# KiCad board V5PCB_Panel.kicad_pcb (continued)
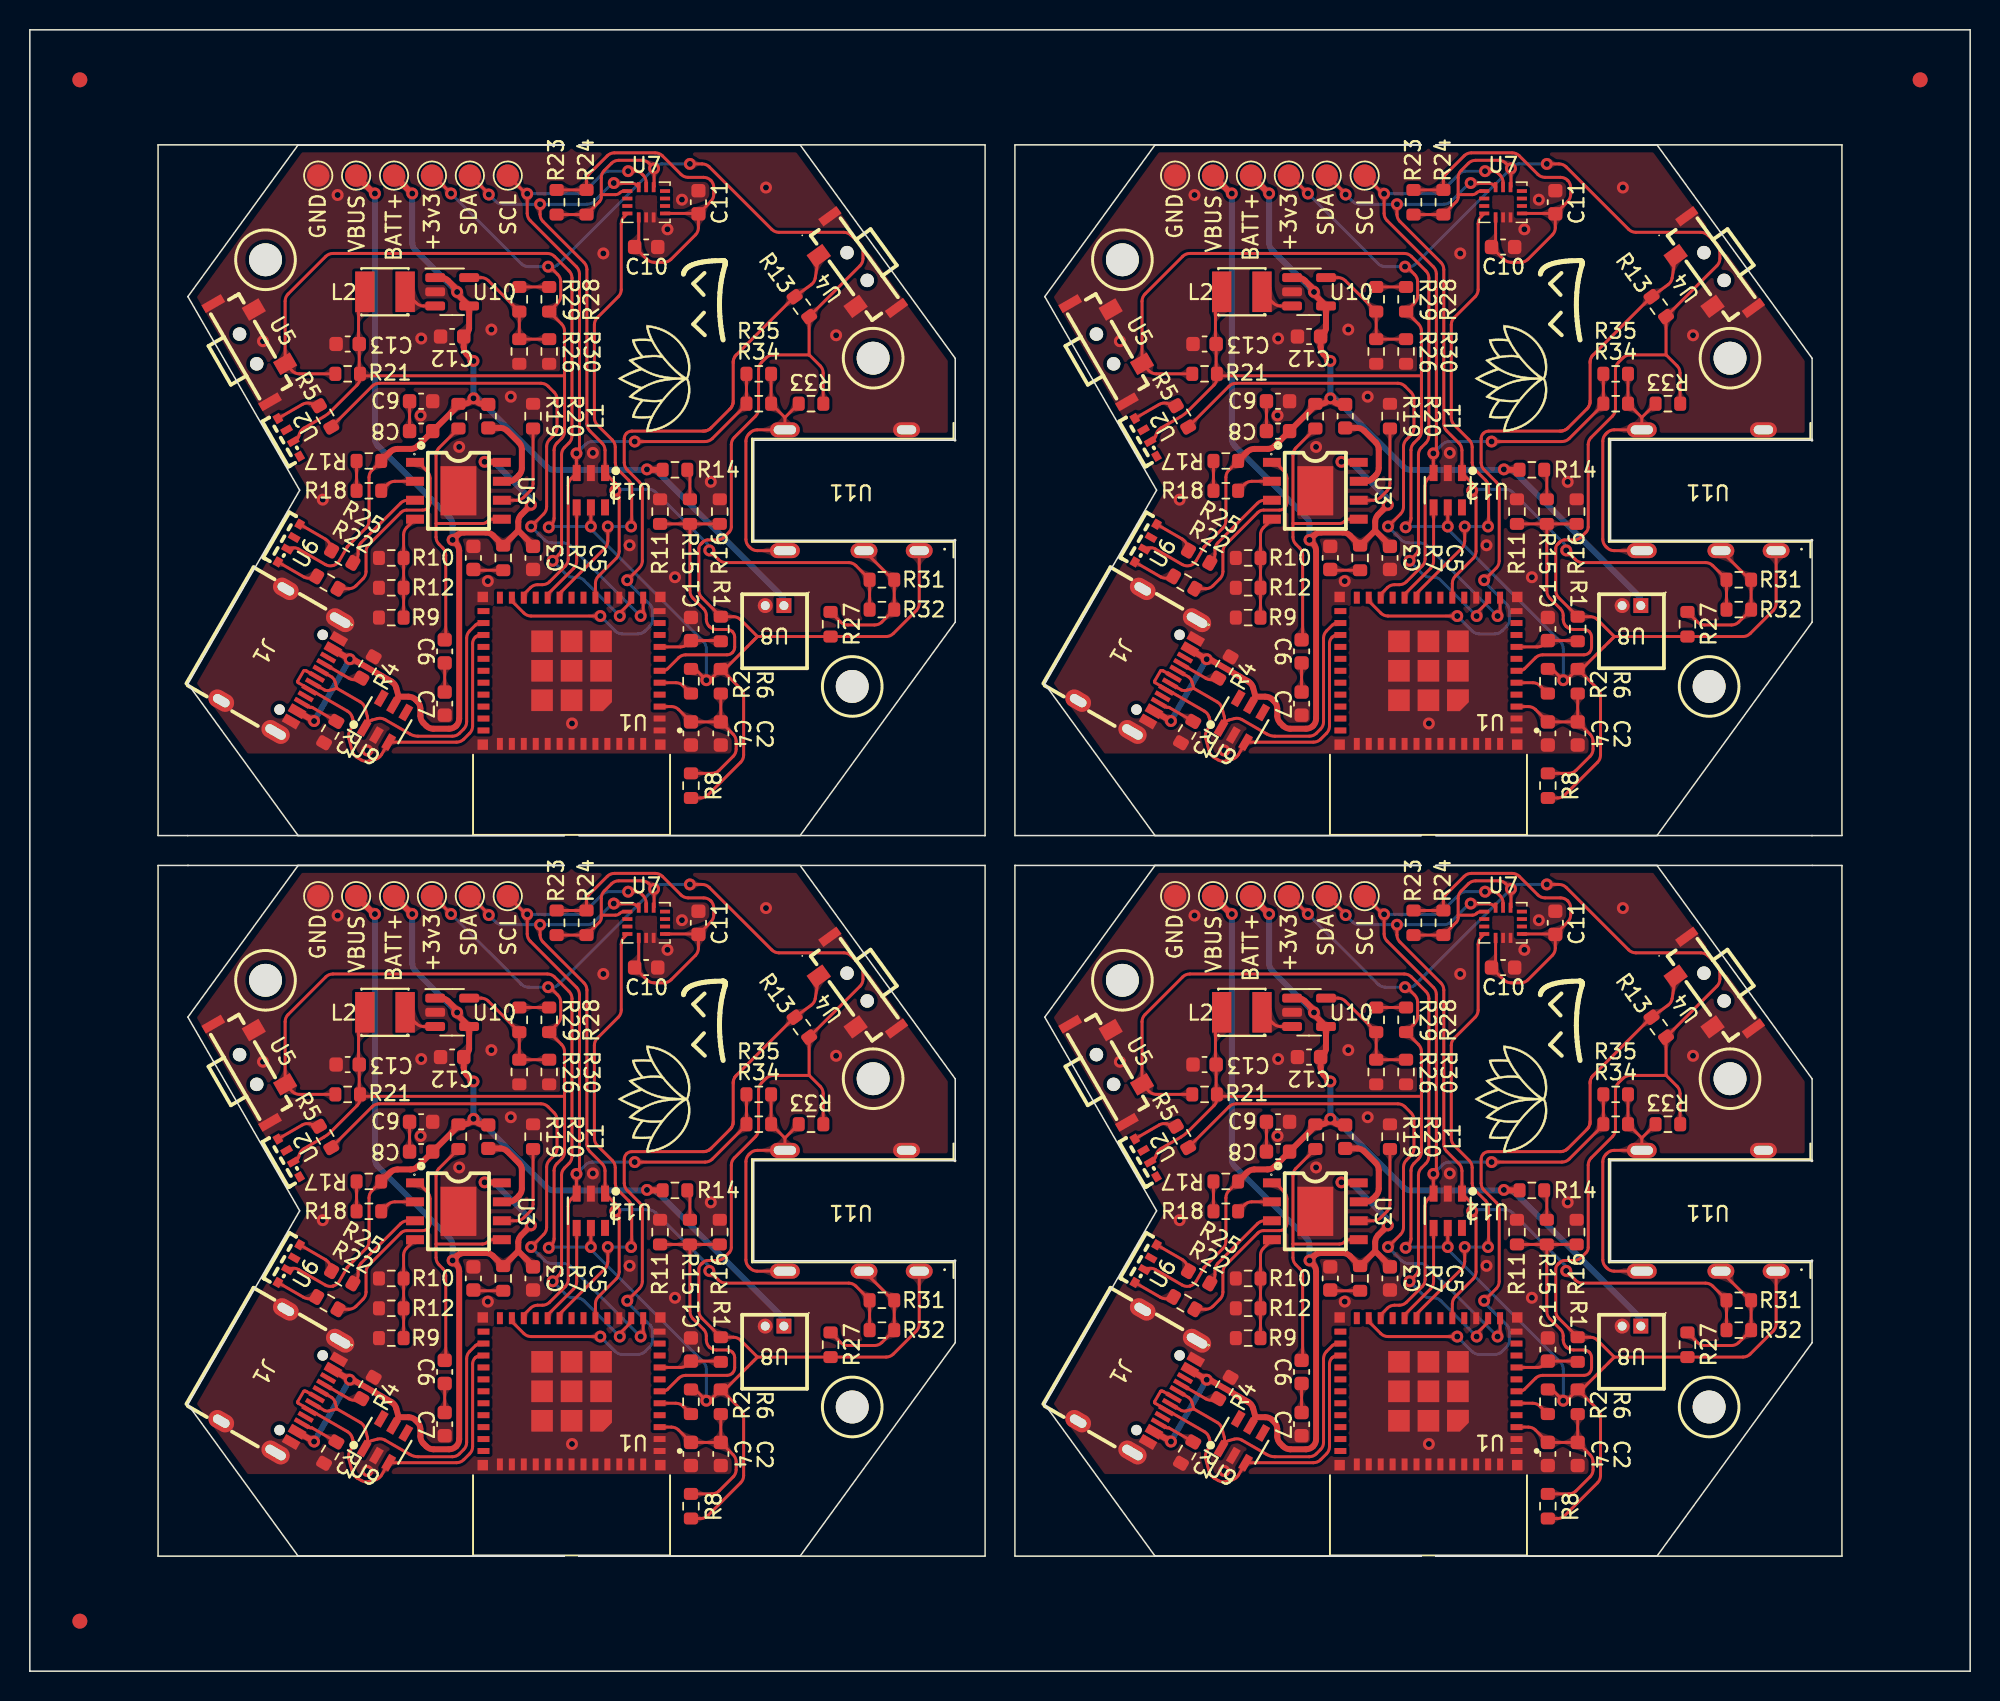
[diagram p0: board, top side]
## Routing (per net, layer and track width the routed paths; a pad name or vN(x,y) marks a point on that pad's centre or on a via; arc(x,y) is an arc through that point) (continued)
Board_0-/STATUS_LED: length 37.1
  Top w0.2: v1(33.58,76.71) 34.42,77.55 arc(34.57,77.77) 34.62,78.03 34.62,82.07 arc(34.68,82.33) 34.82,82.55 35.12,82.85 arc(35.27,83.07) 35.32,83.33 35.32,85.23 arc(35.27,85.49) 35.12,85.71 34.72,86.11 arc(34.5,86.26) 34.24,86.31 23.41,86.31 arc(23.15,86.26) 22.93,86.11 R5.2 ; v1(40.92,70.71) 41.01,70.8 arc(41.07,70.89) 41.09,71.01 U1#4.12
  Bottom w0.2: v1(33.58,76.71) 34.49,75.81 arc(34.71,75.67) 34.97,75.61 35.74,75.61 arc(36,75.56) 36.22,75.41 v1(40.92,70.71)
Board_0-/USB_D+: length 25.1
  Top w0.2: U9#4.3 24.09,62.35 arc(24.15,62.42) 24.24,62.46 ; U9#4.3 23.56,61.43 arc(23.39,61.23) 23.15,61.11 22.73,61 arc(22.46,60.98) 22.21,61.07 21.92,61.23 arc(21.72,61.41) 21.6,61.65 21.37,62.51 arc(21.36,62.78) 21.44,63.03 21.57,63.26 arc(21.66,63.51) 21.64,63.78 21.6,63.93 arc(21.48,64.16) 21.28,64.34 17.98,66.25 arc(17.95,66.27) 17.94,66.3 arc(17.94,66.33) 17.95,66.36 18.34,67.03 arc(18.35,67.05) 18.37,67.06 arc(18.4,67.06) 18.42,67.06 18.47,67.06 arc(18.49,67.05) 18.51,67.04 arc(18.54,67.03) 18.56,67.02 J1.B6 ; U9#4.3 28.59,62.26 arc(28.85,62.31) 29.07,62.46 29.47,62.86 arc(29.61,63.08) 29.67,63.34 29.67,68.88 arc(29.71,69.1) 29.83,69.28 29.85,69.3 arc(30.01,69.41) 30.19,69.44 U1#4.27
Board_0-/USB_D-: length 22.1
  Top w0.2: J1.B7 19.48,67.06 arc(19.48,67.06) 19.48,67.06 20.24,66.62 arc(20.37,66.47) 20.45,66.29 20.57,65.87 ; 20.57,65.87 20.07,65.73 arc(19.91,65.72) 19.75,65.75 18.98,66.2 arc(18.98,66.2) J1.A7 ; 20.57,65.87 22.14,64.96 arc(22.34,64.78) 22.46,64.54 22.61,63.98 arc(22.63,63.71) 22.54,63.46 22.47,63.34 22.53,63.44 arc(22.7,63.63) 22.92,63.74 23.28,63.84 arc(23.55,63.86) 23.8,63.77 25.47,62.8 arc(25.73,62.7) 26.01,62.66 28.31,62.66 arc(28.57,62.71) 28.79,62.86 29.07,63.14 arc(29.21,63.36) 29.27,63.62 29.27,69.23 arc(29.32,69.49) 29.46,69.72 29.85,70.1 arc(30.01,70.21) 30.19,70.24 U1#4.26
Board_0-GND:
  vias: v1(15.62,89.13) v1(19.62,78.51) v1(20.62,98.93) v1(22.61,61.7) v1(26.22,89.31) v1(26.18,84.16) v1(28.77,82.05) v1(30.68,73.06) v1(30.92,89.91) v1(32.22,85.41) v1(36.32,63.51) v1(37.72,81.65) v1(38.42,95.01) v1(40.18,75.46) v1(42.72,96.63) v1(43.22,73.31) v1(43.69,98.62) v1(45.62,79.71) v1(49.32,99.43) v1(54.02,89.53)
Board_0-Net-(C3-Pad1): length 2
  Top w0.2: R7#4.2 29.8,73.78 arc(29.77,73.79) 29.74,73.81 C3#3.1
Board_0-Net-(C6-Pad2): length 1.9
  Top w0.2: C7#3.1 C6#4.2
Board_0-Net-(C8-Pad2): length 2
  Top w0.2: C9#3.1 25.44,83.11
Board_0-Net-(J1-CC1): length 2.8
  Top w0.2: R4#2.1 21.9,66.47 arc(21.64,66.45) 21.39,66.54 20.9,66.82 J1.A5
Board_0-Net-(J1-CC2): length 2.6
  Top w0.2: J1.B5 18.72,64.61 arc(18.77,64.6) 18.82,64.6 arc(18.87,64.6) 18.92,64.59 R3.1
Board_0-Net-(R5-Pad1): length 3
  Top w0.2: U2#3.4 18.26,84.9 arc(18.51,84.98) 18.77,84.97 R5.1
Board_0-Net-(R14-Pad2): length 2
  Top w0.2: 44.22,78.54 44.22,80.22 arc(44.2,80.33) 44.14,80.43 R14.2
Board_0-Net-(R17-Pad2): length 2
  Top w0.2: R18#4.1 R17#4.2
Board_0-Net-(R22-Pad1): length 2.9
  Top w0.2: R22#2.1 18.86,73.27 arc(18.6,73.26) 18.34,73.34 U6#3.1
Board_0-Net-(R25-Pad1): length 2.9
  Top w0.2: R25#3.1 20.12,75.46 arc(20,75.69) 19.8,75.87 U6#3.4
Board_0-Net-(R27-Pad2): length 11.3
  Top w0.2: R27.2 54.32,70.31 arc(54.54,70.17) 54.8,70.11 56.6,70.11 arc(56.86,70.17) 57.08,70.31 R32#2.2 57.91,73.11 arc(57.9,73.13) 57.88,73.14 arc(57.84,73.15) 57.81,73.17 55.98,75 arc(55.88,75.07) 55.76,75.09 55.63,75.09 arc(55.38,75.05) 55.18,74.91 ; U11#4.3 55.63,75.09 arc(55.4,75.05) 55.2,74.91
Board_0-Net-(R28-Pad2): length 2
  Top w0.2: R28#3.2 R29#2.1
Board_0-Net-(R33-Pad2): length 18.1
  Top w0.2: U11#4.5 48.74,75.09 arc(48.48,75.15) 48.26,75.29 48.17,75.38 arc(48.03,75.6) 47.97,75.86 47.97,82.43 arc(48.03,82.69) 48.17,82.91 48.26,83 arc(48.48,83.14) 48.74,83.19 U11#4.4 50.59,84.02 ; R35#4.2 R34#3.2 50.59,84.02 ; 50.59,84.02 R33#4.2
Board_0-Net-(U1-3V3): length 12.4
  Top w0.2: R8#3.2 45.7,60.17 arc(45.96,60.22) 46.18,60.37 47.12,61.31 arc(47.27,61.54) 47.32,61.8 47.32,62.31 arc(47.27,62.57) 47.12,62.79 C2.1 ; C2.1 C4#4.1 43.47,64.45 arc(43.25,64.59) 42.99,64.64 U1#4.3 ; C2.1 R6#4.2
Board_0-Net-(U3-BAT): length 19.5
  Top w0.2: U3#3.5 31.03,77.2 arc(30.84,77.17) 30.68,77.06 arc(30.51,76.95) 30.33,76.91 27.22,76.91 ; 27.22,76.91 27.22,76 arc(27.27,75.74) 27.41,75.52 27.67,75.27 arc(27.81,75.05) 27.87,74.79 27.87,69.24 arc(27.86,69.19) 27.83,69.16 C6#4.1 ; 27.22,76.91 27.22,81.5 arc(27.27,81.76) 27.41,81.98 R20.2
Board_0-Net-(U3-ICHG): length 6.4
  Top w0.2: U3#3.6 32.61,78.47 arc(32.87,78.53) 33.09,78.67 33.52,79.1 arc(33.66,79.32) 33.72,79.58 R19#4.2
Board_0-Net-(U3-NTC): length 6.9
  Top w0.2: R9.2 R12#4.2 R10.2 25.04,76.16 arc(25.09,76.42) 25.24,76.64 U3#3.4
Board_0-Net-(U3-SW): length 6
  Top w0.4: L1#4.1 31.51,83.32 arc(31.77,83.27) 31.99,83.12 32.77,82.35 arc(32.91,82.13) 32.97,81.87 32.97,80.63 arc(32.91,80.37) 32.77,80.15 32.56,79.94 arc(32.34,79.8) 32.08,79.74 U3#3.7
Board_0-Net-(U3-TEST): length 2.5
  Top w0.2: U3#3.2 24.46,79.74 arc(24.2,79.69) 23.98,79.54 R18#4.2
Board_0-Net-(U7-VDD): length 26.4
  Top w0.2: U7#2.5 40.79,95.91 arc(40.76,95.73) 40.66,95.58 arc(40.6,95.44) 40.66,95.31 41.34,94.62 arc(41.56,94.47) 41.82,94.42 42.48,94.42 arc(42.74,94.47) 42.96,94.62 44.59,96.26 arc(44.74,96.48) 44.79,96.74 44.79,97.66 arc(44.79,97.67) 44.79,97.68 44.78,97.68 arc(44.77,97.69) 44.75,97.69 U7#2.8 ; C11.1 45.62,98.5 arc(45.77,98.72) 45.82,98.98 45.82,99.43 arc(45.77,99.69) 45.62,99.91 45.62,99.91 arc(45.4,100.06) 45.14,100.11 44.11,100.11 arc(43.85,100.17) 43.62,100.31 42.38,101.56 arc(42.16,101.7) 41.9,101.76 39.17,101.76 arc(38.91,101.7) 38.69,101.56 37.49,100.36 arc(37.35,100.14) 37.29,99.88 R24#4.2 R23.2 ; 40.24,95.44 C10#2.1
Board_0-Net-(U10-FB): length 8.1
  Top w0.2: R30.1 R26.1 R29#2.2 30.72,93.2 arc(30.5,93.34) 30.24,93.39 U10#3.5
Board_0-Net-(U10-SW): length 2.6
  Top w0.2: L2#3.1 25.89,91.69 arc(26.12,91.55) 26.38,91.49 U10#3.3 27.09,91.43 arc(27.02,91.39) 26.94,91.37
Board_0-VBUS: length 74
  Top w0.2: C5#2.1 33.72,75.42 arc(33.71,75.45) 33.69,75.47 ; v1(23.12,99.03) 23.09,99.03 arc(23.06,99.04) 23.04,99.05 ; v1(21.44,67.82) 21.69,67.89
  Top w0.4: 32.72,76.44 32.72,77.03 arc(32.78,77.29) 32.92,77.51 33.57,78.15 arc(33.57,78.16) 33.57,78.16 v1(33.57,78.17) ; 32.72,76.44 R7#4.1 31.03,76.11 arc(30.81,76.26) 30.55,76.31 29.11,76.31 arc(28.85,76.26) 28.62,76.11 v1(28.32,75.81) 28.57,75.57 arc(28.71,75.35) 28.77,75.09 28.77,63.84 arc(28.71,63.58) 28.57,63.36 arc(28.35,63.21) 28.09,63.16 27.04,63.16 arc(26.78,63.21) 26.55,63.36 26.36,63.55 arc(26.22,63.77) 26.17,64.03 26.17,64.51 arc(26.11,64.77) 25.97,64.99 25.85,65.11 arc(25.63,65.26) 25.37,65.31 24.71,65.31 ; 32.72,76.44 33.69,75.47 ; 24.71,65.31 24.54,65.91 arc(24.43,66.15) 24.23,66.32 21.63,67.82 arc(21.57,67.84) 21.5,67.84 v1(21.44,67.82) 20.31,68.47 ; 24.71,65.31 U9#4.5 ; v1(30.47,81.05) 31.56,81.05 arc(31.59,81.04) 31.61,81.03 U3#3.8 ; v1(19.04,63.68) J1.A4 ; 23.04,99.05 VBUS#3.1
  Bottom w0.2: v1(23.12,99.03) 23.09,99.03 arc(23.06,99.04) 23.03,99.05
  Bottom w0.4: v1(30.47,81.05) 30.8,81.05 arc(31.06,81) 31.28,80.85 33.43,78.7 arc(33.54,78.54) 33.57,78.36 v1(33.57,78.17) ; v1(21.44,67.82) v1(19.04,63.68) ; 23.03,99.05 VBUS#6.1 ; v1(28.32,75.81) 28.32,76.83 arc(28.27,77.09) 28.12,77.31 23.32,82.12 arc(23.17,82.34) 23.12,82.6 v1(23.12,99.03)
Board_1-+3V3: length 184.4
  Top w0.2: v1(92.14,94.13) 92.19,94.13 arc(92.25,94.12) 92.29,94.09 92.78,93.6 arc(92.93,93.38) 92.98,93.12 92.98,92.18 arc(92.93,91.92) 92.78,91.7 R28#4.1 93.04,90.29 arc(93.18,90.07) 93.24,89.81 93.24,83.1 arc(93.18,82.84) 93.04,82.61 92.73,82.31 arc(92.59,82.09) 92.54,81.83 92.54,77.27 arc(92.49,77.04) 92.36,76.84 v1(92.18,76.66) ; 106.16,69.34 105.49,68.67 104.09,67.27 arc(103.98,67.2) 103.85,67.17 R6#2.1 ; 106.16,69.34 105.03,70.47 arc(104.81,70.62) 104.55,70.67 R1#4.1 102.43,71.94 arc(102.29,72.16) 102.24,72.42 102.24,75.25 arc(102.26,75.39) 102.34,75.51 102.52,75.69 arc(102.66,75.78) 102.82,75.81 103.46,75.81 arc(103.72,75.87) 103.94,76.01 104.27,76.34 arc(104.37,76.5) 104.41,76.69 104.41,82.21 arc(104.46,82.47) 104.61,82.69 106.04,84.11 arc(106.18,84.34) 106.24,84.6 106.24,87.23 arc(106.29,87.49) 106.43,87.71 106.74,88.01 arc(106.96,88.16) 107.22,88.21 109.62,88.21 ; 106.16,69.34 114.78,69.34 arc(115.04,69.39) 115.26,69.54 116.8,71.08 arc(116.95,71.3) 117,71.56 U11#2.1 117,75 ; 93.24,86.81 79.75,86.81 arc(79.67,86.83) 79.6,86.88 R21#3.2 ; R21#3.2 79.51,86.97 arc(79.49,87) 79.48,87.03 79.48,88.91 arc(79.47,88.94) 79.46,88.97 arc(79.44,88.99) 79.44,89.02 79.44,91.74 arc(79.49,92) 79.63,92.22 L2.2 ; R21#3.2 79.53,86.67 arc(79.48,86.41) 79.33,86.19 77.58,84.43 arc(77.36,84.24) 77.12,84.08 75.78,83.31 arc(75.58,83.14) 75.47,82.9 75.43,82.78 arc(75.36,82.62) 75.22,82.5 U2#2.2 ; U7#3.12 99.22,99.47 arc(99.23,99.49) 99.24,99.51 v1(99.24,100.71) 98.89,101.06 arc(98.67,101.2) 98.41,101.26 96.86,101.26 arc(96.6,101.2) 96.38,101.06 95.9,100.57 arc(95.75,100.35) 95.7,100.09 95.7,98.96 ; v1(95,76.71) U12#2.5 ; v1(85.63,99.03) 84.46,100.2 arc(84.43,100.22) 84.39,100.23 +3v3#2.1 ; R6#2.1 103.03,66.49 arc(102.94,66.43) 102.84,66.41 v1(102.74,66.41) 102.08,67.07 arc(101.97,67.14) 101.84,67.17 R2.2 ; R6#2.1 105.04,65.84 arc(105.18,65.62) 105.24,65.36 105.24,61.4 arc(105.18,61.14) 105.04,60.91 102.84,58.72 arc(102.62,58.57) 102.36,58.52 R8.1 ; R13#2.2 109.45,90.66 ; R13#2.2 113.03,94.19 arc(113.18,94.41) 113.23,94.67 113.23,95.15 arc(113.18,95.41) 113.03,95.63 112.43,96.23 arc(112.21,96.38) 111.95,96.43 107.6,96.43 arc(107.34,96.48) 107.12,96.63 102.93,100.81 arc(102.71,100.96) 102.45,101.01 v1(101.64,101.01) ; R13#2.2 109.62,88.21 ; 109.62,88.21 109.63,88.21 arc(109.63,88.21) 109.64,88.21 110.37,87.48 arc(110.51,87.26) 110.56,87 110.56,84.99 arc(110.57,84.97) 110.57,84.96 R33.1 ; U7#3.1 97.23,99.19 arc(97.07,99.16) 96.94,99.08 arc(96.8,98.99) 96.65,98.96 95.7,98.96 ; 95.7,98.96 95.7,98.78 arc(95.66,98.62) 95.57,98.49 R24.1 R23#2.1 ; 84.38,100.21 84.38,100.23 arc(84.37,100.23) 84.36,100.23 84.36,100.23 arc(84.35,100.23) 84.35,100.23
  Bottom w0.2: +3v3#7.1 84.39,100.23 arc(84.43,100.22) 84.46,100.2 v1(85.63,99.03) 90.33,94.33 arc(90.55,94.18) 90.81,94.13 v1(92.14,94.13) 92.14,94.12 arc(92.15,94.12) 92.16,94.11 92.39,94.11 arc(92.62,94.16) 92.81,94.28 v1(99.24,100.71) 99.39,100.86 arc(99.55,100.98) 99.75,101.01 v1(101.64,101.01) ; v1(102.74,66.41) 102.74,68.53 arc(102.68,68.79) 102.54,69.01 95.06,76.49 arc(95.01,76.56) 95,76.63 v1(95,76.71) 92.27,76.71 arc(92.24,76.71) 92.21,76.69 v1(92.18,76.66) ; 84.35,100.22 arc(84.35,100.23) 84.36,100.23 arc(84.36,100.23) 84.37,100.23
Board_1-+BATT: length 70.7
  Top w0.2: U6#2.2 74.92,75.27 arc(75.17,75.29) 75.4,75.21 77.21,74.17 arc(77.46,74.08) 77.73,74.1 77.73,74.1 arc(77.97,74.22) 78.14,74.41 78.67,75.33 arc(78.67,75.34) 78.67,75.35 arc(78.68,75.35) 78.68,75.36 79.94,76.61 arc(80.08,76.84) 80.14,77.1 80.14,80.01 arc(80.19,80.27) 80.33,80.49 R17#3.1 ; v1(86.04,92.43) 86.04,92.37 arc(86.05,92.31) 86.08,92.25 ; 88.12,84.9 L1#3.2 ; 86.84,91.49 arc(86.84,91.49) 86.84,91.49 arc(86.84,91.49) 86.84,91.5 86.84,91.56 arc(86.83,91.62) 86.8,91.67
  Top w0.4: v1(87.14,85.31) 87.34,85.11 arc(87.56,84.96) 87.82,84.91 88.11,84.91 arc(88.12,84.91) 88.12,84.9 ; v1(87.14,85.31) 87.27,85.44 ; v1(87.14,85.31) 86.95,85.12 arc(86.74,84.98) 86.5,84.93 86.18,84.93 arc(86.14,84.92) 86.13,84.88 arc(86.12,84.84) 86.09,84.8 83.41,82.11 arc(83.19,81.97) 82.93,81.91 82.04,81.91 arc(81.78,81.86) 81.56,81.71 R17#3.1 ; 86.04,92.62 v1(86.04,92.43) 86.04,92.51 arc(86.02,92.58) 85.98,92.64 85.43,93.2 arc(85.21,93.34) 84.95,93.39 U10.1 84.82,93.39 ; v1(98.76,80.54) 98.82,80.54 arc(98.92,80.52) 99.02,80.51 R14#2.1 ; 86.84,91.49 86.84,89.98 arc(86.78,89.79) 86.66,89.63 C12#3.1 86.48,88.74 arc(86.53,88.48) 86.68,88.26 v1(87.14,87.81) ; 86.08,92.25 U10.4 ; 83.01,99.04 BATT+#4.1
  Bottom w0.2: v1(87.14,85.31) 87.14,85.61 ; v1(86.04,92.43) 86.01,92.43 ; BATT+#6.1 81.82,100.23 arc(81.83,100.23) 81.84,100.22
  Bottom w0.4: U8#4.1 107.93,71.66 arc(107.89,71.9) 107.76,72.09 99.5,80.35 arc(99.29,80.49) 99.03,80.54 v1(98.76,80.54) 98.74,80.52 arc(98.72,80.51) 98.7,80.51 92.52,80.51 arc(92.26,80.56) 92.04,80.71 87.14,85.61 ; v1(87.14,87.81) v1(87.14,85.31) ; v1(86.04,92.43) 83.23,95.24 arc(83.08,95.46) 83.03,95.72 v1(83.03,99.03) 81.84,100.22
Board_1-/ADC: length 19.8
  Top w0.2: U1#3.6 99.81,67.04 arc(99.99,67.08) 100.15,67.19 100.88,67.91 arc(101.1,68.06) 101.36,68.11 104.12,68.11 arc(104.32,68.15) 104.49,68.26 arc(104.6,68.43) 104.64,68.63 104.64,69.3 arc(104.6,69.5) 104.49,69.66 arc(104.32,69.78) 104.12,69.81 103.42,69.81 arc(103.16,69.87) 102.94,70.01 102.93,70.01 arc(102.79,70.24) 102.74,70.5 102.74,70.75 arc(102.69,70.99) 102.55,71.2 101.83,71.91 arc(101.69,72.14) 101.64,72.4 101.64,76.89 ; 101.64,76.89 R16.1 ; 101.64,76.89 99.64,76.89
Board_1-/BMI_INT_AUX: length 6.8
  Top w0.2: U12#2.4 94.05,74.39 arc(94,74.13) 93.85,73.91 92.19,72.25 arc(92.13,72.16) 92.11,72.06 U1#3.20
Board_1-/BMI_INT_MAIN: length 30.4
  Top w0.2: v1(96.14,76.71) 96.14,75.74 arc(96.08,75.48) 95.94,75.26 93.01,72.33 arc(92.93,72.22) 92.91,72.09 U1#3.19 ; v1(97.7,76.71) 97.72,76.73 arc(97.73,76.76) 97.74,76.78 97.74,79.33 arc(97.68,79.59) 97.54,79.81 96.83,80.51 arc(96.69,80.74) 96.64,81 96.64,82.03 arc(96.58,82.29) 96.44,82.51 95.43,83.51 arc(95.29,83.74) 95.24,84 95.24,90.23 arc(95.29,90.49) 95.43,90.71 96.84,92.11 arc(96.98,92.34) 97.04,92.6 97.04,97.01 arc(97.09,97.27) 97.23,97.49 U7#3.4
  Bottom w0.2: v1(96.14,76.71) v1(97.7,76.71)
Board_1-/BOOT: length 45.3
  Top w0.2: v1(97.44,73.11) 98.25,73.93 arc(98.4,74.15) 98.45,74.41 98.45,79.22 arc(98.4,79.48) 98.25,79.7 97.43,80.51 arc(97.29,80.73) 97.24,80.99 97.24,82.6 arc(97.27,82.79) 97.39,82.96 arc(97.55,83.07) 97.75,83.11 102.51,83.11 arc(102.55,83.11) 102.6,83.11 arc(102.64,83.11) 102.69,83.12 102.73,83.13 arc(102.81,83.16) 102.89,83.2 102.93,83.22 arc(102.97,83.25) 103,83.28 arc(103.03,83.31) 103.07,83.34 104.3,84.58 arc(104.34,84.61) 104.37,84.64 arc(104.4,84.67) 104.42,84.71 104.44,84.75 arc(104.48,84.83) 104.51,84.91 104.52,84.96 arc(104.53,85) 104.53,85.04 arc(104.54,85.09) 104.54,85.13 104.54,87.68 arc(104.54,87.73) 104.54,87.77 arc(104.54,87.81) 104.55,87.86 104.56,87.9 arc(104.59,87.98) 104.63,88.06 104.65,88.1 arc(104.68,88.14) 104.7,88.17 arc(104.73,88.21) 104.77,88.24 108.64,92.11 arc(108.64,92.11) 108.64,92.11 arc(108.64,92.11) 108.64,92.12 108.65,92.12 arc(108.65,92.12) 108.65,92.12 arc(108.65,92.12) 108.65,92.12 R13#2.1 109.76,92.92 arc(109.94,93.12) 110.03,93.36 U4#4.1 ; U1#3.23 89.71,71.83 arc(89.73,71.73) 89.79,71.64 90.51,70.91 arc(90.73,70.77) 90.99,70.71 v1(95.64,70.71)
  Bottom w0.2: v1(95.64,70.71) 96.64,69.71 arc(96.86,69.57) 97.12,69.51 98.15,69.51 arc(98.41,69.57) 98.63,69.71 98.94,70.01 arc(99.08,70.24) 99.14,70.5 99.14,71.03 arc(99.1,71.25) 99,71.45 97.47,72.97 arc(97.44,73.01) 97.44,73.06 v1(97.44,73.11)
Board_1-/CHARGED_LED: length 6.5
  Top w0.2: U3.3 82.73,78.47 arc(82.47,78.42) 82.25,78.27 79.6,75.63 arc(79.46,75.41) 79.41,75.15 79.41,74.87 arc(79.36,74.64) 79.23,74.45 R25#4.2 79.1,74.31 arc(79.13,74.36) 79.14,74.41
Board_1-/CHARGING_LED: length 12.8
  Top w0.2: R22#4.2 78.78,72.54 arc(79.04,72.6) 79.26,72.74 79.74,73.21 arc(79.88,73.44) 79.94,73.7 79.94,75.03 arc(79.99,75.29) 80.13,75.51 82.28,77.65 arc(82.45,77.77) 82.66,77.81 83.73,77.81 arc(83.92,77.85) 84.08,77.96 arc(84.19,78.12) 84.23,78.31 84.23,79.94 arc(84.18,80.2) 84.03,80.42 83.51,80.94 arc(83.43,80.99) 83.33,81.01 U3.1
Board_1-/EN: length 4.2
  Top w0.2: R1#4.2 103.68,69.04 arc(103.65,69.06) 103.62,69.07 101.99,69.07 arc(101.73,69.02) 101.51,68.87 101.48,68.84 arc(101.26,68.7) 101,68.64 U1#3.8
Board_1-/GPIO1: length 56.1
  Top w0.2: R21#3.1 75.47,86.94 arc(75.21,87) 74.99,87.14 74.71,87.42 arc(74.57,87.64) 74.51,87.9 74.51,91.81 arc(74.57,92.07) 74.71,92.29 77.24,94.81 arc(77.46,94.96) 77.72,95.01 92.09,95.01 arc(92.35,94.96) 92.57,94.81 93.54,93.84 arc(93.68,93.62) 93.74,93.36 93.74,82.8 arc(93.68,82.54) 93.54,82.31 93.23,82.01 arc(93.09,81.79) 93.04,81.53 93.04,75.3 arc(92.98,75.04) 92.84,74.81 v1(92.44,74.41) ; U1#3.13 97.71,71.81 arc(97.68,71.69) 97.61,71.59 arc(97.61,71.59) 97.61,71.59 96.93,70.91 arc(96.93,70.91) 96.92,70.9 arc(96.92,70.9) 96.92,70.9 96.92,70.74 arc(96.92,70.73) 96.93,70.72 v1(96.94,70.71)
  Bottom w0.2: v1(92.44,74.41) 93.35,73.5 arc(93.56,73.36) 93.79,73.31 94.05,73.31 arc(94.31,73.26) 94.53,73.11 v1(96.94,70.71)
Board_1-/GPIO2: length 2.4
  Top w0.2: U1#3.5 100.7,66.24 arc(100.96,66.19) 101.18,66.05 R2.1
Board_1-/SCL: length 58
  Top w0.2: R35#3.1 105.42,84.9 103.13,82.61 arc(102.91,82.46) 102.65,82.41 v1(97.94,82.41) ; U7#3.13 98.71,99.78 arc(98.65,100.04) 98.51,100.26 98.44,100.33 arc(98.25,100.46) 98.04,100.53 v1(97.5,100.53) ; SCL#3.1 90.62,99.04 arc(90.65,99.02) 90.69,99.01 v1(90.74,99.01) 90.74,97.7 arc(90.79,97.44) 90.93,97.22 94.04,94.12 arc(94.18,93.9) 94.24,93.63 94.24,81.96 arc(94.21,81.82) 94.14,81.71 v1(94.04,81.61) 94.04,80.28 93.68,79.93 arc(93.54,79.71) 93.48,79.45 93.48,74.54 arc(93.43,74.28) 93.28,74.06 92.23,73.01 arc(92.01,72.87) 91.75,72.81 91.43,72.81 arc(91.17,72.76) 90.95,72.61 90.59,72.25 arc(90.53,72.16) 90.51,72.06 U1#3.22
  Bottom w0.2: v1(94.04,81.61) 94.63,82.21 arc(94.85,82.36) 95.11,82.41 v1(97.94,82.41) ; 89.45,100.23 90.64,99.04 arc(90.67,99.02) 90.7,99.01 v1(90.74,99.01) 94.15,99.01 arc(94.41,99.07) 94.63,99.21 95.75,100.33 arc(95.93,100.46) 96.15,100.53 97.5,100.53 arc(97.5,100.53) v1(97.5,100.53)
Board_1-/SDA: length 65.4
  Top w0.2: U1#3.16 95.31,72.9 arc(95.36,73.16) 95.51,73.38 96.7,74.58 arc(96.84,74.8) 96.9,75.06 96.9,78.67 arc(96.86,78.84) 96.77,78.98 v1(96.64,79.11) 96.68,79.16 arc(96.72,79.22) 96.73,79.28 96.73,79.41 arc(96.7,79.52) 96.63,79.61 U12#2.1 95.95,81.82 arc(95.9,82.08) 95.75,82.3 94.93,83.11 arc(94.79,83.34) 94.74,83.6 94.74,93.93 arc(94.68,94.2) 94.54,94.42 91.8,97.16 arc(91.65,97.38) 91.6,97.64 v1(91.6,98.31) ; v1(102.94,75.11) 103.56,74.49 arc(103.78,74.35) 104.04,74.29 112.27,74.29 arc(112.53,74.24) 112.75,74.1 113.66,73.19 arc(113.67,73.17) 113.67,73.16 R31#2.1 R32#4.1 ; v1(88.16,98.96) 88.16,98.98 arc(88.16,99) 88.15,99.02 86.95,100.21 arc(86.93,100.22) 86.92,100.23 86.9,100.23 ; 98.21,99.52 U7#3.14 98.08,99.59 arc(97.96,99.67) 97.83,99.71 96.57,99.71 arc(96.56,99.72) 96.55,99.72 v1(96.54,99.73)
  Bottom w0.2: v1(96.54,99.73) 96.49,99.73 arc(96.45,99.72) 96.42,99.7 95.17,98.45 arc(94.97,98.35) 94.75,98.31 89.09,98.31 arc(88.83,98.37) 88.61,98.51 v1(88.16,98.96) ; v1(102.94,75.11) 102.94,75.26 arc(102.91,75.4) 102.83,75.52 99.33,79.01 arc(99.15,79.14) 98.94,79.21 96.8,79.21 arc(96.74,79.2) 96.68,79.16 v1(96.64,79.11) ; SDA#7.1 86.91,100.23 arc(86.93,100.23) 86.94,100.22 88.15,99.02 arc(88.16,99) 88.16,98.98 v1(88.16,98.96) ; v1(88.16,98.96) 88.14,98.93
Board_1-/STATUS_LED: length 37.1
  Top w0.2: v1(98.34,70.71) 98.42,70.8 arc(98.48,70.89) 98.51,71.01 U1#3.12 ; R5#2.2 80.34,86.11 arc(80.56,86.26) 80.82,86.31 91.65,86.31 arc(91.91,86.26) 92.13,86.11 92.54,85.71 arc(92.68,85.49) 92.74,85.23 92.74,83.33 arc(92.68,83.07) 92.54,82.85 92.23,82.55 arc(92.09,82.33) 92.04,82.07 92.04,78.03 arc(91.98,77.77) 91.84,77.55 v1(91,76.71)
  Bottom w0.2: v1(98.34,70.71) 93.63,75.41 arc(93.41,75.56) 93.15,75.61 92.38,75.61 arc(92.12,75.67) 91.9,75.81 v1(91,76.71)
Board_1-/USB_D+: length 25.1
  Top w0.2: U9.3 80.97,61.43 arc(80.8,61.23) 80.56,61.11 80.14,61 arc(79.87,60.98) 79.62,61.07 79.33,61.23 arc(79.13,61.41) 79.02,61.65 78.78,62.51 arc(78.77,62.78) 78.85,63.03 78.99,63.26 arc(79.07,63.51) 79.05,63.78 79.01,63.93 arc(78.9,64.16) 78.7,64.34 75.39,66.25 arc(75.37,66.27) 75.35,66.3 arc(75.35,66.33) 75.36,66.36 75.75,67.03 arc(75.77,67.05) 75.79,67.06 arc(75.81,67.06) 75.83,67.06 75.88,67.06 arc(75.9,67.05) 75.93,67.04 arc(75.95,67.03) 75.97,67.02 J1#2.B6 ; U9.3 81.5,62.35 arc(81.57,62.42) 81.65,62.46 ; U9.3 86,62.26 arc(86.26,62.31) 86.48,62.46 86.88,62.86 arc(87.03,63.08) 87.08,63.34 87.08,68.88 arc(87.12,69.1) 87.24,69.28 87.26,69.3 arc(87.42,69.41) 87.61,69.44 U1#3.27
Board_1-/USB_D-: length 22.1
  Top w0.2: 77.98,65.87 77.87,66.29 arc(77.78,66.47) 77.65,66.62 76.89,67.06 arc(76.89,67.06) 76.89,67.06 J1#2.B7 ; 77.98,65.87 77.48,65.73 arc(77.32,65.72) 77.17,65.75 76.39,66.2 arc(76.39,66.2) J1#2.A7 ; 77.98,65.87 79.56,64.96 arc(79.75,64.78) 79.87,64.54 80.02,63.98 arc(80.04,63.71) 79.96,63.46 79.88,63.34 79.94,63.44 arc(80.11,63.63) 80.34,63.74 80.69,63.84 arc(80.96,63.86) 81.21,63.77 82.88,62.8 arc(83.14,62.7) 83.42,62.66 85.72,62.66 arc(85.98,62.71) 86.2,62.86 86.48,63.14 arc(86.63,63.36) 86.68,63.62 86.68,69.23 arc(86.73,69.49) 86.88,69.72 87.26,70.1 arc(87.42,70.21) 87.61,70.24 U1#3.26
Board_1-GND:
  vias: v1(73.03,89.13) v1(77.04,78.51) v1(78.03,98.93) v1(80.02,61.7) v1(83.64,89.31) v1(83.6,84.16) v1(86.18,82.05) v1(88.1,73.06) v1(88.34,89.91) v1(89.64,85.41) v1(93.74,63.51) v1(95.14,81.65) v1(95.84,95.01) v1(97.6,75.46) v1(100.13,96.63) v1(100.64,73.31) v1(101.1,98.62) v1(103.04,79.71) v1(106.73,99.43) v1(111.43,89.53)
Board_1-Net-(C3-Pad1): length 2
  Top w0.2: C3#4.1 87.15,73.81 arc(87.18,73.79) 87.21,73.78 R7#2.2
Board_1-Net-(C6-Pad2): length 1.9
  Top w0.2: C7#2.1 C6#2.2
Board_1-Net-(C8-Pad2): length 2
  Top w0.2: C9.1 82.85,83.11
Board_1-Net-(J1-CC1): length 2.8
  Top w0.2: R4.1 79.32,66.47 arc(79.05,66.45) 78.8,66.54 78.32,66.82 J1#2.A5
Board_1-Net-(J1-CC2): length 2.6
  Top w0.2: R3#2.1 76.33,64.59 arc(76.28,64.6) 76.23,64.6 arc(76.18,64.6) 76.13,64.61 J1#2.B5
Board_1-Net-(R5-Pad1): length 3
  Top w0.2: R5#2.1 76.19,84.97 arc(75.92,84.98) 75.67,84.9 U2#2.4
Board_1-Net-(R14-Pad2): length 2
  Top w0.2: 101.64,78.54 101.64,80.22 arc(101.61,80.33) 101.55,80.43 R14#2.2
Board_1-Net-(R17-Pad2): length 2
  Top w0.2: R18.1 R17#3.2
Board_1-Net-(R22-Pad1): length 2.9
  Top w0.2: R22#4.1 76.27,73.27 arc(76.01,73.26) 75.76,73.34 U6#2.1
Board_1-Net-(R25-Pad1): length 2.9
  Top w0.2: R25#4.1 77.53,75.46 arc(77.42,75.69) 77.22,75.87 U6#2.4
Board_1-Net-(R27-Pad2): length 11.3
  Top w0.2: R27#3.2 111.74,70.31 arc(111.96,70.17) 112.22,70.11 114.01,70.11 arc(114.27,70.17) 114.49,70.31 R32#4.2 115.32,73.11 arc(115.31,73.13) 115.29,73.14 arc(115.25,73.15) 115.22,73.17 113.39,75 arc(113.29,75.07) 113.17,75.09 113.04,75.09 arc(112.79,75.05) 112.59,74.91 ; U11#2.3 113.04,75.09 arc(112.81,75.05) 112.61,74.91
Board_1-Net-(R28-Pad2): length 2
  Top w0.2: R28#4.2 R29#4.1
Board_1-Net-(R33-Pad2): length 18.1
  Top w0.2: 108,84.02 R34.2 R35#3.2 ; 108,84.02 R33.2 ; 108,84.02 U11#2.4 106.15,83.19 arc(105.89,83.14) 105.67,83 105.59,82.91 arc(105.44,82.69) 105.39,82.43 105.39,75.86 arc(105.44,75.6) 105.59,75.38 105.67,75.29 arc(105.89,75.15) 106.15,75.09 U11#2.5
Board_1-Net-(U1-3V3): length 12.4
  Top w0.2: C2#4.1 R6#2.2 ; C2#4.1 104.54,62.79 arc(104.68,62.57) 104.74,62.31 104.74,61.8 arc(104.68,61.54) 104.54,61.31 103.59,60.37 arc(103.37,60.22) 103.11,60.17 R8.2 ; C2#4.1 C4#2.1 100.88,64.45 arc(100.66,64.59) 100.4,64.64 U1#3.3
Board_1-Net-(U3-BAT): length 19.5
  Top w0.2: U3.5 88.44,77.2 arc(88.25,77.17) 88.09,77.06 arc(87.93,76.95) 87.74,76.91 84.63,76.91 ; 84.63,76.91 84.63,76 arc(84.68,75.74) 84.83,75.52 85.08,75.27 arc(85.23,75.05) 85.28,74.79 85.28,69.24 arc(85.27,69.19) 85.24,69.16 C6#2.1 ; 84.63,76.91 84.63,81.5 arc(84.68,81.76) 84.83,81.98 R20#3.2
Board_1-Net-(U3-ICHG): length 6.4
  Top w0.2: R19#2.2 91.13,79.58 arc(91.08,79.32) 90.93,79.1 90.5,78.67 arc(90.28,78.53) 90.02,78.47 U3.6
Board_1-Net-(U3-NTC): length 6.9
  Top w0.2: R9#3.2 R12#3.2 R10#2.2 82.45,76.16 arc(82.5,76.42) 82.65,76.64 U3.4
Board_1-Net-(U3-SW): length 6
  Top w0.4: L1#3.1 88.92,83.32 arc(89.18,83.27) 89.4,83.12 90.18,82.35 arc(90.33,82.13) 90.38,81.87 90.38,80.63 arc(90.33,80.37) 90.18,80.15 89.97,79.94 arc(89.75,79.8) 89.49,79.74 U3.7
Board_1-Net-(U3-TEST): length 2.5
  Top w0.2: R18.2 81.39,79.54 arc(81.61,79.69) 81.87,79.74 U3.2
Board_1-Net-(U7-VDD): length 26.4
  Top w0.2: U7#3.5 98.21,95.91 arc(98.17,95.73) 98.07,95.58 arc(98.01,95.44) 98.07,95.31 98.75,94.62 arc(98.97,94.47) 99.24,94.42 99.89,94.42 arc(100.15,94.47) 100.37,94.62 102.01,96.26 arc(102.15,96.48) 102.21,96.74 102.21,97.66 arc(102.2,97.67) 102.2,97.68 102.19,97.68 arc(102.18,97.69) 102.16,97.69 U7#3.8 ; C11#2.1 103.04,98.5 arc(103.18,98.72) 103.24,98.98 103.24,99.43 arc(103.18,99.69) 103.04,99.91 103.03,99.91 arc(102.81,100.06) 102.55,100.11 101.52,100.11 arc(101.26,100.17) 101.04,100.31 99.79,101.56 arc(99.57,101.7) 99.31,101.76 96.58,101.76 arc(96.32,101.7) 96.1,101.56 94.91,100.36 arc(94.76,100.14) 94.71,99.88 R24.2 R23#2.2 ; 97.66,95.44 C10#3.1
Board_1-Net-(U10-FB): length 8.1
  Top w0.2: R30#2.1 R26#2.1 R29#4.2 88.13,93.2 arc(87.91,93.34) 87.65,93.39 U10.5
Board_1-Net-(U10-SW): length 2.6
  Top w0.2: L2.1 83.31,91.69 arc(83.53,91.55) 83.79,91.49 U10.3 84.51,91.43 arc(84.44,91.39) 84.35,91.37
Board_1-VBUS: length 74
  Top w0.2: v1(78.85,67.82) 79.1,67.89 ; v1(80.53,99.03) 80.5,99.03 arc(80.47,99.04) 80.45,99.05 ; C5#4.1 91.13,75.42 arc(91.12,75.45) 91.1,75.47
  Top w0.4: v1(90.98,78.17) 90.98,78.16 arc(90.98,78.16) 90.98,78.15 90.33,77.51 arc(90.19,77.29) 90.14,77.03 90.14,76.44 ; 77.72,68.47 v1(78.85,67.82) 78.92,67.84 arc(78.98,67.84) 79.05,67.82 81.64,66.32 arc(81.84,66.15) 81.96,65.91 82.12,65.31 ; U3.8 89.02,81.03 arc(89,81.04) 88.98,81.05 v1(87.88,81.05) ; 82.12,65.31 U9.5 ; 82.12,65.31 82.78,65.31 arc(83.04,65.26) 83.26,65.11 83.38,64.99 arc(83.53,64.77) 83.58,64.51 83.58,64.03 arc(83.63,63.77) 83.78,63.55 83.97,63.36 arc(84.19,63.21) 84.45,63.16 85.5,63.16 arc(85.76,63.21) 85.98,63.36 arc(86.13,63.58) 86.18,63.84 86.18,75.09 arc(86.13,75.35) 85.98,75.57 v1(85.74,75.81) 86.04,76.11 arc(86.26,76.26) 86.52,76.31 87.97,76.31 arc(88.23,76.26) 88.45,76.11 R7#2.1 90.14,76.44 ; 90.14,76.44 91.1,75.47 ; 80.45,99.05 VBUS#4.1 ; v1(76.45,63.68) J1#2.A4